# Altium PCB 小车PCB.PcbDoc (part 4 of 4)
Units mm, origin at the board's own origin, x right, y up, seen from the top; angles counter-clockwise.
Board outline 300.13 x 180.13 mm, 2 copper layers (Top Layer, Bottom Layer); 391 components, 380 nets, 1557 pads, 358 vias.
Unrouted connection lines stored in the file: 2.
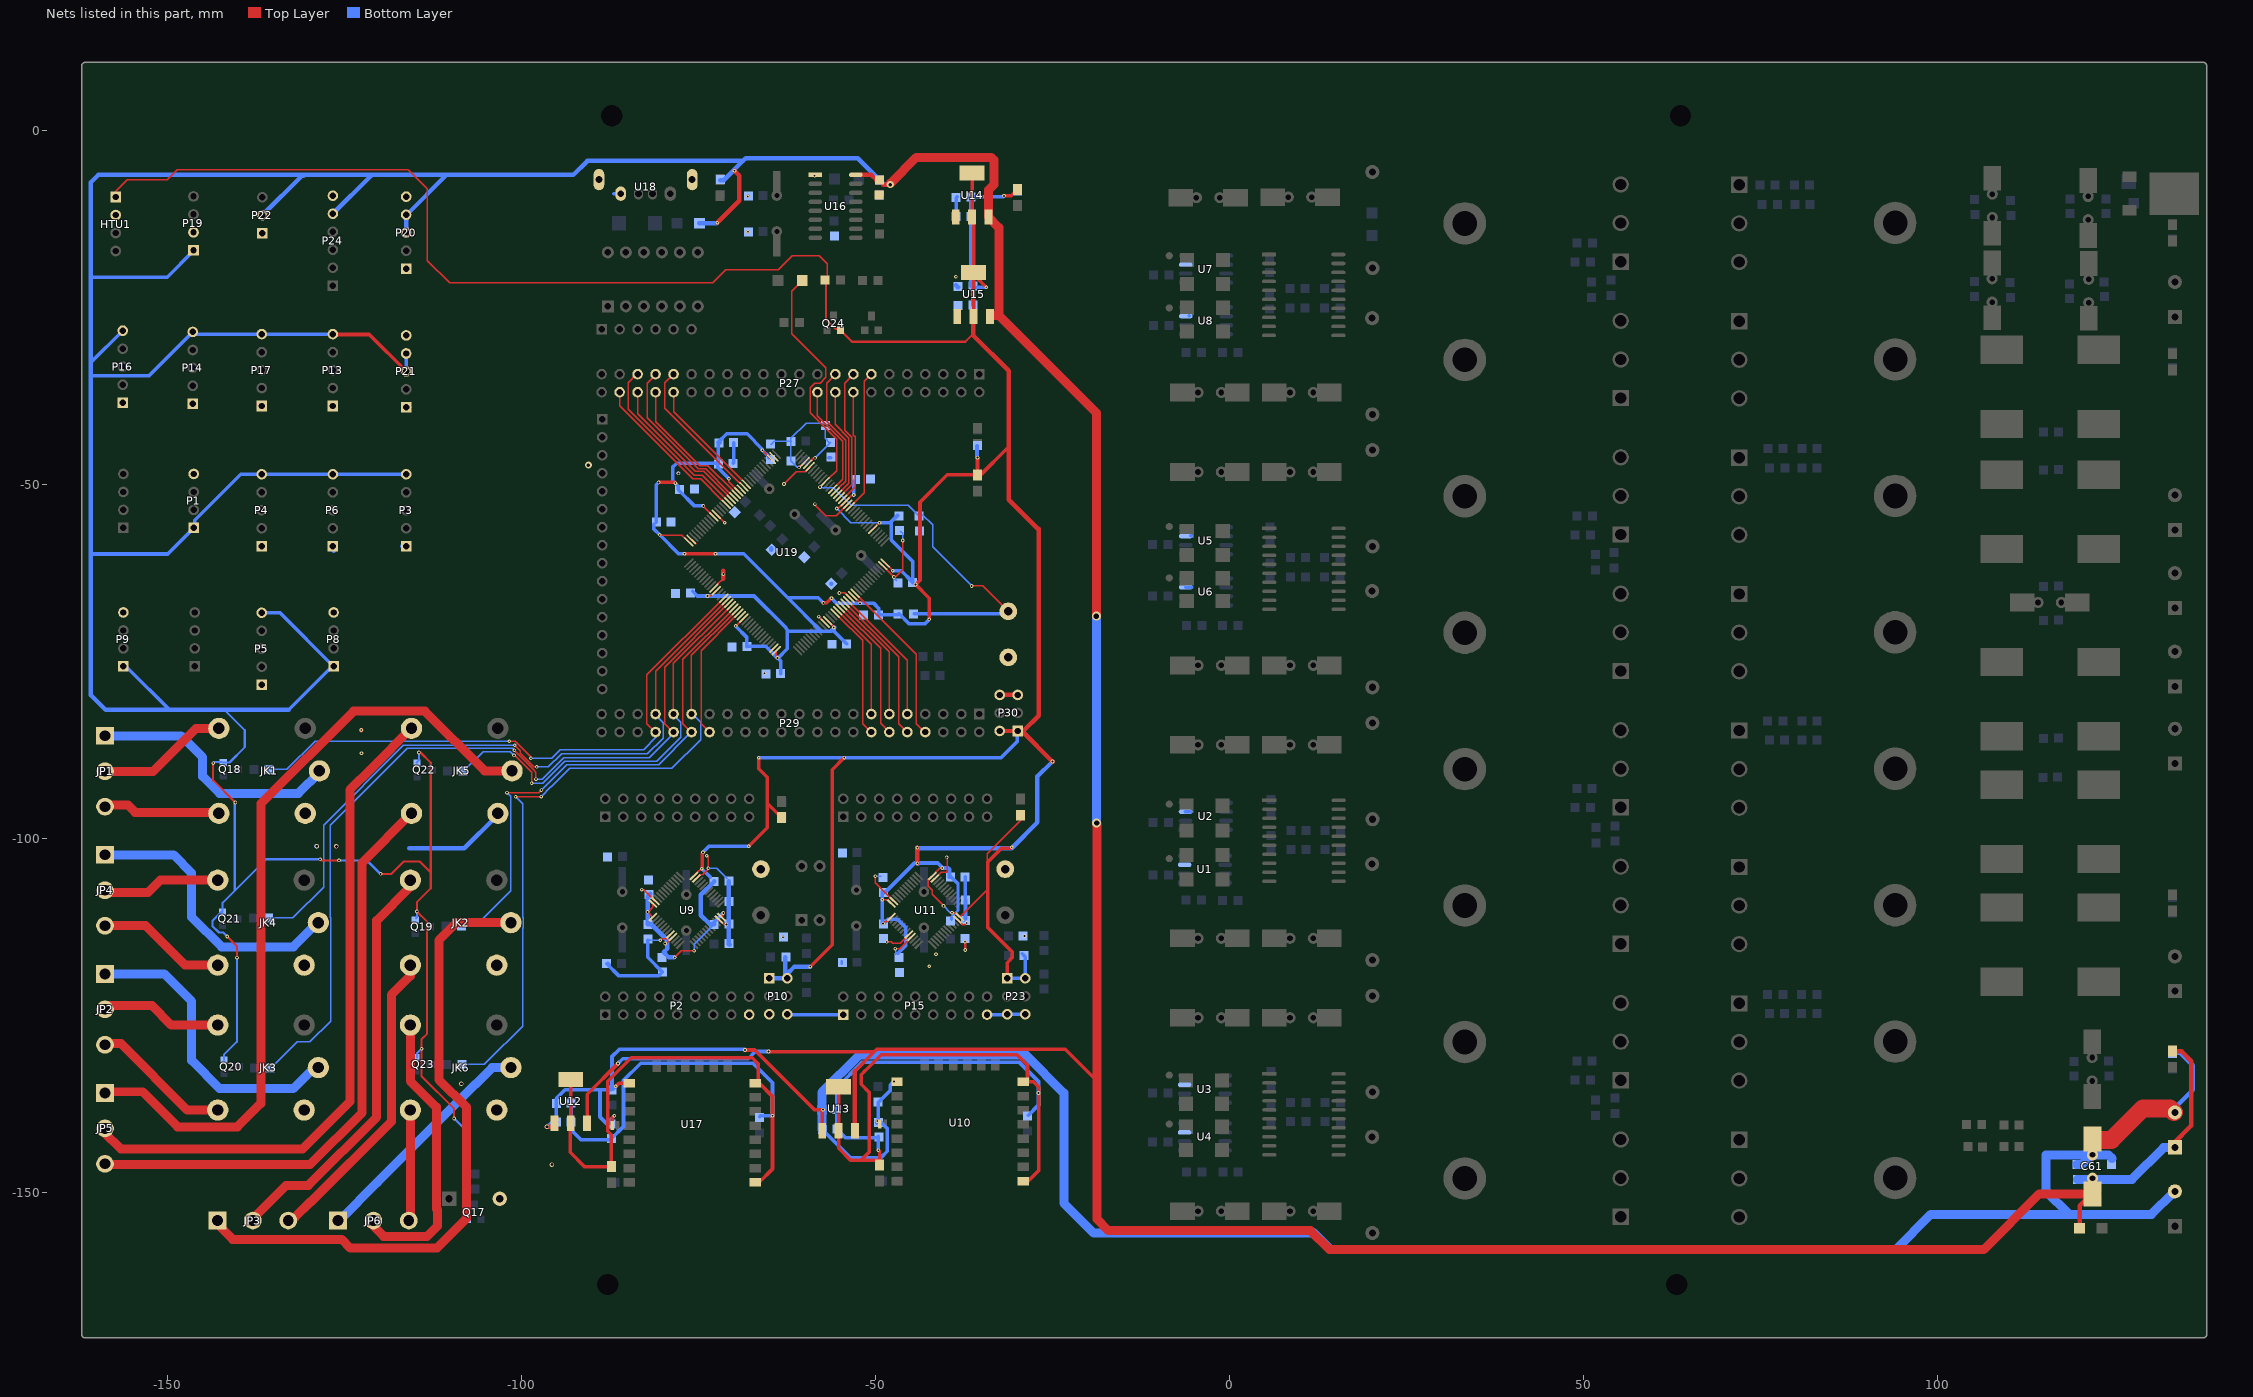
[diagram p4: the nets of this part, all layers, seen from the top]

## Via types
v1: diameter 0.508, hole 0.254, Top Layer to Bottom Layer, 302 vias
v2: diameter 1, hole 0.5, Top Layer to Bottom Layer, 18 vias
v3: diameter 3, hole 1.5, Top Layer to Bottom Layer, 14 vias
v4: diameter 7, hole 5, Top Layer to Bottom Layer, 8 vias
v5: diameter 1.27, hole 0.889, Top Layer to Bottom Layer, 6 vias
v6: diameter 0.635, hole 0.381, Top Layer to Bottom Layer, 5 vias
v7: diameter 0.762, hole 0.508, Top Layer to Bottom Layer, 2 vias
v8: diameter 1.27, hole 0.762, Top Layer to Bottom Layer, 2 vias
v9: diameter 1, hole 0.6, Top Layer to Bottom Layer, 1 vias

## Nets (pads, with @x,y where several pads share a name; then routed paths per layer and width w, separated by ;. In a path a pad name is that pad's centre, name@x,y a point inside that pad or via, vN(x,y) a via of type N, cw(c..) or ccw(c..) an arc to the next point about the centre after c; other vN are vias at no path point) (continued)
PF5: P27.13 U19.15 | length 19.2
  Top Layer w0.203: U19.15@-53.035,-52.629 -51.537,-51.13 -51.537,-35.408 -50.571,-34.442 P27.13@-50.546,-34.442
PF6: P27.16 U19.18 | length 15.2
  Top Layer w0.203: U19.18@-54.127,-51.562 -52.857,-50.292 -52.857,-43.256 -53.086,-43.028 P27.16@-53.086,-36.982
PF7: P27.15 U19.19 | length 18.1
  Top Layer w0.203: U19.19@-54.432,-51.156 -53.289,-50.013 -53.289,-43.332 -54.305,-42.316 -54.305,-35.662 P27.15@-53.086,-34.442
PF8: P27.18 U19.20 | length 15.1
  Top Layer w0.203: P27.18@-55.651,-37.008 -55.651,-41.504 -53.721,-43.434 -53.721,-49.784 U19.20@-54.813,-50.876
PF9: P27.17 U19.21 | length 18
  Top Layer w0.203: P27.17@-55.651,-34.468 -56.871,-35.687 -56.871,-41.046 -54.178,-43.739 -54.178,-49.505 U19.21@-55.143,-50.47
PF10: P27.20 U19.22 | length 15
  Top Layer w0.203: P27.20@-58.166,-37.008 -58.166,-40.284 -54.61,-43.84 -54.61,-49.225 U19.22@-55.524,-50.14
PF11: P27.36 U19.49 | length 16.5
  Top Layer w0.203: P27.36@-78.486,-36.957 -78.486,-39.726 -68.809,-49.403 U19.49@-68.732,-49.403
PF12: P27.35 U19.50 | length 20.3
  Top Layer w0.203: P27.35@-78.486,-34.417 -79.705,-35.636 -79.705,-39.192 -69.268,-49.629 -69.243,-49.629 U19.50@-69.088,-49.784
PF13: P27.38 U19.53 | length 19
  Top Layer w0.203: P27.38@-81.001,-36.932 -81.001,-41.097 -74.752,-47.346 -73.635,-47.346 U19.53@-70.155,-50.825
PF14: P27.37 U19.54 | length 22.6
  Top Layer w0.203: P27.37@-81.001,-34.468 -82.22,-35.687 -82.22,-40.564 -75.006,-47.777 -73.939,-47.777 -70.587,-51.13 U19.54@-70.561,-51.13
PF15: P27.40 U19.55 | length 20.5
  Top Layer w0.203: P27.40@-83.541,-36.932 -83.541,-39.98 -75.387,-48.133 -74.244,-48.133 -70.866,-51.511 U19.55@-70.866,-51.537
PG0: P27.39 U19.56 | length 24.5
  Top Layer w0.203: P27.39@-83.668,-34.366 -84.887,-35.585 -84.887,-39.345 -75.565,-48.666 -74.422,-48.666 U19.56@-71.095,-51.994
PG1: P27.42 U19.57 | length 22
  Top Layer w0.203: P27.42@-86.106,-36.881 P27.42@-86.106,-36.932 -86.106,-38.837 -75.768,-49.174 -74.676,-49.174 U19.57@-71.603,-52.248
PG2: P29.38 R93.1 U19.87 | length 82.8
  Top Layer w0.203: v1(-101.676,-86.233) -100.813,-86.233 -100.813,-86.236 -98.628,-88.421 v1(-98.628,-88.646) ; P29.38@-81.026,-84.963 -82.245,-83.744 -82.245,-76.86 U19.87@-71.831,-66.446
  Bottom Layer w0.203: R93.1@-135.458,-90.199 -133.074,-90.199 -129.108,-86.233 v1(-101.676,-86.233) ; v1(-98.628,-88.646) -95.682,-88.646 -94.539,-87.503 ; -94.539,-87.452 -82.728,-87.452 -80.899,-85.623 P29.38@-80.899,-84.76
PG3: P29.37 R96.1 U19.88 | length 97.2
  Top Layer w0.203: v1@-100.838,-86.792 -100.838,-86.868 -100.139,-87.566 ; -100.152,-87.579 -100.152,-87.909 -98.196,-89.865 v1(-97.815,-89.865) ; P29.37@-81.026,-82.423 P29.37@-81.026,-82.398 -81.026,-76.378 U19.88@-71.501,-66.853
  Bottom Layer w0.203: R96.1@-135.534,-111.18 -132.236,-111.18 -127.914,-106.858 -127.914,-98.069 -116.637,-86.792 v1@-100.914,-86.792 ; v1(-97.815,-89.865) -96.164,-89.865 -94.361,-88.062 ; -94.361,-88.036 -82.194,-88.036 -79.959,-85.801 -79.959,-83.642 -80.874,-82.728 P29.37@-80.874,-82.448
  other v1: -100.914,-86.817
PG4: P29.36 R95.1 U19.89 | length 119.1
  Top Layer w0.203: v1@-100.914,-87.503 -100.914,-87.614 -98.333,-90.195 -98.323,-90.195 -97.917,-90.602 v1(-97.917,-91.592) ; P29.36@-78.511,-85.014 -79.731,-83.795 -79.731,-75.768 U19.89@-71.171,-67.208
  Bottom Layer w0.203: R95.1@-135.357,-132.389 -131.644,-128.676 -129.845,-128.676 -126.924,-125.755 -126.924,-112.576 -126.921,-112.573 -126.921,-111.141 -126.949,-111.113 -126.949,-98.12 -116.078,-87.249 -101.219,-87.249 v1(-100.965,-87.503) ; v1(-97.917,-91.592) -97.028,-91.592 -94.056,-88.621 ; -94.056,-88.595 -81.94,-88.595 P29.36@-78.232,-84.887
PG5: P29.35 R97.1 U19.90 | length 58.6
  Top Layer w0.203: v1@-100.99,-88.265 -100.863,-88.265 -98.527,-90.602 v1(-98.527,-92.177) ; P29.35@-78.511,-82.474 -78.511,-75.26 U19.90@-70.764,-67.513
  Bottom Layer w0.203: R97.1@-108.102,-90.428 -105.381,-87.706 -101.575,-87.706 -101.041,-88.24 v1(-101.016,-88.24) ; v1(-98.527,-92.177) -96.952,-92.177 -93.853,-89.078 -80.848,-89.078 -77.445,-85.674 -77.445,-83.566 P29.35@-78.257,-82.753
PG6: P29.34 R94.1 U19.91 | length 72.7
  Top Layer w0.203: v1(-102.006,-93.497) -97.511,-93.497 v1(-97.155,-93.142) ; P29.34@-75.971,-84.988 -77.191,-83.769 -77.191,-74.676 U19.91@-70.434,-67.92
  Bottom Layer w0.203: R94.1@-108.331,-112.348 -106.455,-112.348 -101.473,-107.366 -101.473,-94.031 v1(-102.006,-93.497) ; v1(-97.155,-93.142) -96.139,-92.126 -96.114,-92.126 -93.548,-89.56 -80.594,-89.56 P29.34@-76.175,-85.141
PG7: P29.33 R98.1 U19.92 | length 93.6
  Top Layer w0.203: v1(-100.787,-94.082) -100.762,-94.056 v1(-97.18,-94.056) ; P29.33@-75.971,-82.448 -75.971,-74.117 U19.92@-70.079,-68.224
  Bottom Layer w0.203: R98.1@-108.229,-131.881 -105.213,-131.881 -104.787,-131.454 -104.784,-131.454 -99.797,-126.467 -99.797,-112.652 -99.718,-112.573 -99.718,-111.141 -99.797,-111.062 -99.797,-95.072 v1(-100.787,-94.082) ; v1(-97.18,-94.056) -95.809,-92.685 -95.783,-92.685 -93.167,-90.068 -78.715,-90.068 -74.676,-86.03 -74.676,-85.979 -74.625,-85.928 -74.625,-83.591 P29.33@-75.667,-82.55
PG8: P29.32 U19.93 | length 18.8
  Top Layer w0.203: P29.32@-73.381,-84.988 -74.6,-83.769 -74.6,-73.457 U19.93@-69.825,-68.682
PG9: P29.14 U19.124 | length 18.3
  Top Layer w0.203: U19.124@-55.143,-68.631 -51.791,-71.984 -51.791,-83.795 P29.14@-50.571,-85.014
PG10: P29.13 U19.125 | length 15.9
  Top Layer w0.203: U19.125@-54.788,-68.301 -50.571,-72.517 P29.13@-50.571,-82.474
PG11: P29.12 U19.126 | length 19.6
  Top Layer w0.203: U19.126@-54.432,-67.945 -49.251,-73.127 -49.251,-83.718 P29.12@-48.031,-84.938
PG12: P29.11 U19.127 | length 17.4
  Top Layer w0.203: U19.127@-54.153,-67.513 -48.031,-73.635 P29.11@-48.031,-82.398
PG13: P29.10 U19.128 | length 21.2
  Top Layer w0.203: U19.128@-53.797,-67.183 -46.685,-74.295 -46.685,-83.744 P29.10@-45.466,-84.963
PG14: P29.9 U19.129 | length 19
  Top Layer w0.203: U19.129@-53.518,-66.777 -45.466,-74.828 P29.9@-45.466,-82.398 P29.9@-45.466,-82.423
PG15: P29.8 U19.132 | length 23.1
  Top Layer w0.203: U19.132@-52.375,-65.786 -44.196,-73.965 -44.196,-83.769 P29.8@-42.977,-84.988
RESET: C83.1 D27.1 key3.1 R111.1 U19.25 | length 82.8
  Top Layer w0.203: D27.1@-60.3,-21.184 -61.824,-22.708 -61.824,-28.677 -56.972,-33.528 -56.972,-34.849 -57.785,-35.662 -58.522,-35.662 -59.207,-36.347 -59.207,-39.878 -55.474,-43.612 -55.474,-48.006 U19.25@-56.642,-49.174 ; v1(-36.398,-64.313) -34.799,-64.313 key3.1@-31.217,-67.895
  Bottom Layer w0.203: v1(-57.81,-50.343) -57.81,-50.419 -55.931,-50.419 -53.416,-52.934 -45.314,-52.934 C83.1@-43.815,-54.432 ; C83.1@-43.332,-54.254 -41.91,-55.677 -41.91,-58.801 v1(-36.398,-64.313)
  Bottom Layer w0.508: R111.1@-44.475,-68.25 -31.267,-68.25 key3.1@-31.064,-68.047
VCC3.3V: C43.2 C46.2 C47.2 C48.2 C49.2 C50.2 C55.2 C56.2 C57.2 C59.2 C60.2 C64.2 C65.2 C66.2 C67.2 C68.2 C69.2 C70.2 C71.2 C74.2 C80.2 C81.2 C82.2 C84.2 C85.2 C86.2 C87.2 C88.2 C89.2 C90.2 C91.2 C96.1 HTU1.1 K3V.1 LED4.1 LED5.1 LED6.1 LED10.1 LED11.1 P10.1 P10.2 P23.1 P23.2 P30.1 P30.2 Q24.2 R78.2 R81.1 R87.2 R101.1 R104.2 R111.2 R112.2 R114.2 U9.1 U9.9 U9.24 U9.36 U9.48 U10.1 U10.8 U11.1 U11.9 U11.24 U11.36 U11.48 U12.2 U13.2 U14.2 U15.2 U17.1 U17.8 U19.6 U19.17 U19.39 U19.52 U19.62 U19.72 U19.84 U19.95 U19.108 U19.121 U19.131 U19.144 | length 996.3
  Top Layer w0.203: HTU1.1@-157.277,-9.144 -157.277,-8.6 -155.626,-6.949 -149.976,-6.949 -148.565,-5.537 -115.951,-5.537 ; -115.875,-5.563 -115.875,-5.588 -113.233,-8.23 -113.233,-18.39 -110.109,-21.514 -72.923,-21.514 -71.095,-19.685 -63.678,-19.685 -61.697,-17.704 -57.887,-17.704 -56.769,-18.821 R104.2@-56.769,-20.955 ; v1(-82.144,-110.345) U9.1@-81.42,-111.068 ; v1@-82.093,-110.363 -81.42,-109.69 U9.48@-81.42,-109.159 ; v1(-80.442,-57.099) -80.416,-57.125 -77.294,-57.125 U19.72@-76.326,-58.093 ; v1(-79.68,-114.808) -79.527,-114.808 U9.9@-78.994,-114.275 ; v1(-78.308,-116.764) -77.368,-115.824 v1(-75.59,-115.824) ; U9.36@-75.622,-105.27 -75.622,-105.213 -74.955,-104.546 -74.879,-104.546 v1@-74.549,-104.216 ; v1(-74.27,-53.01) -74.27,-53.078 U19.62@-72.791,-54.557 ; v1(-73.698,-65.723) -73.203,-65.723 U19.84@-72.437,-64.957 ; U9.24@-71.732,-111.068 -71.45,-110.786 v1(-71.45,-110.49) ; v1(-70.663,-49.174) -70.663,-49.628 -69.27,-51.022 U19.52@-69.255,-51.022 ; v1(-69.698,-69.952) -69.654,-69.952 U19.95@-68.548,-68.846 ; v1(-65.938,-45.146) U19.39@-64.659,-46.425 ; U19.108@-63.952,-73.443 -63.952,-74.326 v1(-63.805,-74.473) ; U19.121@-56.734,-69.2 -55.855,-70.079 v1(-55.855,-70.18) ; v1(-55.448,-53.365) -55.22,-53.365 U19.17@-54.712,-52.857 ; U19.17@-54.683,-52.86 U19.17@-54.259,-52.436 -53.284,-51.46 v1(-53.035,-51.46) ; U19.131@-53.198,-65.664 -52.146,-66.717 v1(-52.146,-66.777) ; U19.6@-50.37,-56.325 -50.356,-56.325 v1(-49.403,-55.372) ; v1(-49.022,-108.61) -48.288,-108.61 U11.48@-47.739,-109.159 ; -48.746,-111.763 -48.434,-111.763 U11.1@-47.739,-111.068 ; U19.144@-48.602,-61.068 -47.777,-61.893 -47.777,-61.925 -47.549,-62.154 v1(-47.523,-62.154) ; v1(-47.168,-115.519) -46.533,-115.519 U11.9@-44.911,-113.897 ; v1(-40.538,-104.14) -40.811,-104.14 U11.36@-41.941,-105.27 -41.973,-105.27 -42.488,-105.785 -42.488,-106.725 -41.941,-107.272 -41.941,-107.868 -40.259,-109.55 -40.31,-109.55 v1(-40.361,-109.499) ; v1@-39.167,-110.515 -38.605,-110.515 U11.24@-38.052,-111.068 -34.138,-107.154 ; -34.163,-103.2 -34.163,-102.133 -29.515,-97.485 -29.515,-96.901 LED6.1@-29.337,-96.723
  Top Layer w0.305: R104.2@-56.947,-21.107 -56.947,-26.67 -56.21,-27.407 -56.196,-27.407 -55.612,-27.991 Q24.2@-54.915,-27.991 ; Q24.2@-54.915,-28.194 -53.289,-29.82 -37.287,-29.82 -36.144,-28.677
  Top Layer w0.508: U12.2@-93.091,-140.64 -93.091,-144.297 -91.084,-146.304 LED10.1@-87.274,-146.304 -87.274,-141.814 -87.757,-141.331 -87.757,-134.239 -84.457,-130.939 -80.084,-130.939 -80.06,-130.962 -79.623,-130.962 -79.599,-130.939 -78.084,-130.939 -78.06,-130.962 -77.623,-130.962 -77.599,-130.939 -76.084,-130.939 -76.06,-130.962 -75.623,-130.962 -75.599,-130.939 -74.084,-130.939 -74.06,-130.962 -73.623,-130.962 -73.599,-130.939 -72.084,-130.939 -72.06,-130.962 -71.623,-130.962 -71.599,-130.939 -67.384,-130.939 -66.548,-131.775 U17.8@-66.548,-134.468 ; U12.2@-92.994,-140.193 -92.994,-134.421 U12.2@-92.685,-134.112 ; v1(-80.594,-49.682) -78.359,-49.682 v1(-78.257,-49.784) ; v1(-76.937,-59.766) v1(-72.568,-59.766) ; v1@-74.524,-104.242 -74.422,-104.14 -74.422,-102.032 v1(-74.32,-101.93) ; v1(-67.869,-101.067) -65.253,-98.45 -65.253,-94.996 ; U17.1@-66.942,-148.52 -66.402,-148.52 -64.516,-146.634 v1(-64.516,-139.141) -64.516,-136.398 U17.8@-66.472,-134.442 ; v1(-66.446,-88.57) -66.446,-90.119 -65.253,-91.313 -65.253,-94.996 ; LED4.1@-63.221,-97.028 -65.253,-94.996 ; v1@-59.182,-118.085 -56.083,-114.986 -56.083,-90.246 v1(-54.381,-88.544) ; v1(-57.328,-66.7) -56.845,-66.7 v1(-56.185,-66.04) ; U13.2@-55.194,-134.696 -55.173,-134.717 U13.2@-55.173,-141.235 -55.173,-143.734 -53.492,-145.415 -52.019,-145.415 ; v1(-49.555,-143.993) -49.378,-144.17 LED5.1@-49.378,-146.075 ; LED5.1@-49.505,-145.339 -49.581,-145.415 -52.019,-145.415 ; v1(-42.367,-69.037) -42.367,-66.04 v1(-44.298,-64.11) -43.688,-63.5 -43.688,-52.476 -39.827,-48.616 LED11.1@-35.56,-48.616 ; U14.2@-36.855,-5.867 -36.327,-6.395 U14.2@-36.327,-12.085 ; U14.2@-36.347,-12.065 U14.2@-36.327,-12.085 ; U15.2@-36.115,-26.249 -36.115,-20.469 U15.2@-36.093,-20.447 ; U15.2@-36.115,-20.063 U15.2@-35.916,-19.863 ; U15.2@-36.115,-20.049 -36.115,-12.297 U14.2@-36.327,-12.085 ; U15.2@-35.916,-20.422 -35.916,-20.523 v1(-34.315,-22.123) ; LED11.1@-35.56,-48.65 LED11.1@-35.56,-48.616 ; v1(-35.56,-46.177) LED11.1@-35.56,-48.616 ; LED11.1@-35.361,-48.849 -31.166,-44.653 ; v1(-31.826,-9.22) -30.785,-9.22 K3V.1@-29.845,-8.28 ; P23.1@-31.369,-119.71 -31.369,-117.509 -30.683,-116.824 -30.683,-115.951 -34.138,-112.497 -34.138,-107.154 -34.138,-103.327 -32.182,-101.371 -30.886,-101.371 v1(-30.734,-101.219) ; U10.8@-29.121,-134.342 -27.659,-134.342 -26.924,-135.077 v1@-26.924,-135.89 ; U10.1@-28.55,-148.488 -26.924,-146.863 v1@-26.924,-135.89 ; U10.8@-28.499,-134.29 -28.499,-132.004 -29.997,-130.505 -49.149,-130.505 -51.342,-132.699 -51.368,-132.699 -51.994,-133.325 -51.994,-134.696 -50.851,-135.839 -50.851,-144.247 -52.019,-145.415 ; v1(-26.949,-135.915) v1@-26.924,-135.89
  Top Layer w0.635: v1(-44.044,-103.48) v1(-44.044,-101.27) ; U15.2@-36.144,-26.416 -36.144,-28.677 -36.144,-28.931 -31.166,-33.909 -31.166,-44.653 -31.166,-52.146 -26.987,-56.325 -26.924,-56.261 -26.924,-82.626 -29.083,-84.785 P30.1@-29.261,-84.836 ; P30.2@-32.436,-84.785 -29.896,-84.826 P30.1@-29.261,-84.836 ; v1@-24.968,-89.129 P30.1@-29.261,-84.836
  Bottom Layer w0.203: v1@-78.41,-116.764 v1(-78.308,-116.764) ; v1(-75.59,-115.824) -75.54,-115.875 -75.54,-114.884 C46.2@-72.746,-112.09 ; v1(-55.448,-53.365) -53.442,-55.372 v1(-49.403,-55.372) -49.149,-55.372 ; v1(-47.168,-115.519) -47.117,-115.57 C56.2@-47.117,-116.357 ; v1(-40.361,-109.499) -39.395,-110.465 v1@-39.218,-110.465
  Bottom Layer w0.381: C57.2@-39.243,-111.404 -39.243,-111.049 -38.329,-110.134 -38.329,-106.35
  Bottom Layer w0.508: C64.2@-92.964,-137.236 -92.939,-137.262 C65.2@-92.939,-139.979 -92.939,-141.148 -91.542,-142.545 C74.2@-87.274,-142.545 ; C74.2@-87.274,-142.367 -85.547,-140.64 -85.547,-134.112 -83.134,-131.699 -67.259,-131.699 -64.465,-134.493 -64.516,-134.544 v1(-64.516,-139.141) -66.218,-139.141 R101.1@-66.319,-139.243 ; C86.2@-81.255,-55.601 -81.255,-56.286 v1(-80.442,-57.099) -77.8,-59.741 -76.962,-59.741 v1(-76.937,-59.766) ; C86.2@-80.924,-55.296 -80.924,-50.013 v1(-80.594,-49.682) ; C81.2@-77.826,-50.673 -77.826,-50.216 v1(-78.257,-49.784) -78.626,-49.416 -78.626,-47.561 -78.054,-46.99 C87.2@-72.187,-46.99 ; C81.2@-77.749,-50.8 -75.54,-53.01 v1(-74.27,-53.01) ; C85.2@-75.794,-65.075 -75.146,-65.723 v1(-73.698,-65.723) -67.119,-65.723 -62.586,-70.256 -62.586,-70.316 -62.408,-70.494 -62.408,-70.688 ; v1(-74.498,-104.242) C47.2@-73.279,-105.461 ; v1(-74.32,-101.93) -73.431,-101.041 v1@-67.818,-101.041 ; C46.2@-72.771,-111.811 v1(-71.45,-110.49) ; v1(-72.568,-59.766) -68.58,-59.766 -62.357,-65.989 ; C87.2@-72.263,-47.015 -72.263,-47.574 v1(-70.663,-49.174) ; C96.1@-72.212,-44.044 -70.993,-42.824 -68.097,-42.824 -65.938,-44.983 v1(-65.938,-45.146) -65.049,-46.035 R112.2@-65.049,-46.203 ; C87.2@-72.161,-47.066 -72.161,-44.323 C96.1@-71.907,-44.069 ; v1@-69.698,-70.002 -68.123,-71.577 C90.2@-68.123,-72.873 ; C90.2@-68.047,-72.822 -65.456,-72.822 v1(-63.805,-74.473) ; v1(-66.446,-88.57) -32.233,-88.57 -29.947,-86.284 P30.1@-29.947,-84.531 ; v1@-63.754,-74.524 v1@-63.741,-74.511 ; C89.2@-63.373,-76.683 -63.373,-74.879 v1@-63.741,-74.511 ; v1(-57.328,-66.7) -58.039,-65.989 -62.357,-65.989 ; -56.274,-70.625 v1@-55.88,-70.231 ; -56.185,-70.714 -57.633,-70.714 -57.658,-70.688 ; v1(-56.185,-66.04) -55.474,-66.751 v1@-52.172,-66.751 ; v1(-55.855,-70.18) v1@-55.829,-70.18 ; v1@-55.74,-70.18 v1@-55.829,-70.18 ; C66.2@-55.448,-138.303 -55.397,-138.354 C67.2@-55.397,-141.021 -54.204,-142.215 -49.759,-142.215 C48.2@-49.555,-142.011 ; C66.2@-55.448,-138.278 -55.448,-135.179 -51.867,-131.597 -29.642,-131.597 -26.949,-134.29 v1(-26.949,-135.915) -26.949,-137.617 R81.1@-28.372,-139.04 ; C88.2@-54.051,-72.492 -55.829,-70.714 v1@-55.829,-70.18 ; C80.2@-53.111,-49.454 -53.035,-49.53 v1(-53.035,-51.46) ; v1(-52.146,-66.777) -50.19,-66.777 -49.53,-67.437 C84.2@-49.53,-68.377 ; v1(-49.555,-143.993) C48.2@-49.555,-142.24 ; C84.2@-49.53,-68.428 C84.2@-49.53,-68.377 ; -49.149,-55.372 -47.879,-55.372 -47.727,-55.22 ; C55.2@-49.022,-111.989 v1(-49.022,-108.61) C59.2@-49.022,-107.493 ; C55.2@-48.87,-112.039 -48.235,-111.404 -46.838,-111.404 -45.695,-112.547 -45.695,-115.087 C56.2@-46.787,-116.18 ; C59.2@-48.844,-107.594 -48.616,-107.594 -44.45,-103.429 v1@-44.044,-103.429 ; v1(-47.523,-62.154) -46.33,-62.154 C82.2@-44.806,-63.678 ; C91.2@-46.863,-54.356 -47.727,-55.22 ; R111.2@-46.685,-68.25 -46.812,-68.377 C84.2@-49.53,-68.377 ; R111.2@-46.634,-68.25 -45.212,-69.672 -43.002,-69.672 v1(-42.367,-69.037) ; C82.2@-44.729,-63.83 -44.729,-60.808 -47.727,-57.81 -47.727,-55.22 ; v1@-43.993,-103.429 -41.173,-103.429 -40.538,-104.064 v1(-40.538,-104.14) -39.675,-104.14 -39.522,-104.292 C60.2@-39.522,-105.435 ; C60.2@-39.472,-105.207 -38.329,-106.35 ; C71.2@-36.5,-21.971 C69.2@-36.5,-12.116 C68.2@-36.5,-9.373 -31.979,-9.373 v1(-31.826,-9.22) ; C70.2@-36.22,-24.663 -36.22,-22.149 -36.144,-22.225 -36.043,-22.123 v1(-34.315,-22.123) ; R114.2@-35.636,-44.501 -35.636,-46.101 v1(-35.56,-46.177) ; P23.1@-31.369,-119.71 -28.956,-119.71 P23.2@-28.854,-119.609 ; R87.2@-29.235,-116.256 R87.2@-29.007,-116.484 -28.829,-116.662 P23.2@-28.829,-119.71 ; v1@-63.741,-74.511 -62.408,-73.177 -62.408,-70.688 ; -62.408,-70.688 -57.658,-70.688 ; -62.357,-65.989 -57.658,-70.688
  Bottom Layer w0.635: v1@-82.118,-110.345 C49.2@-82.118,-112.09 -81.638,-112.09 -79.375,-114.354 -79.375,-114.859 ; v1@-82.118,-110.338 -82.118,-108.102 C50.2@-81.788,-107.772 ; -79.35,-114.859 -79.35,-115.519 -79.87,-116.04 -79.197,-116.713 v1@-78.41,-116.713 ; C46.2@-72.746,-112.09 -73.33,-112.09 -74.625,-110.795 -74.625,-107.925 C47.2@-72.746,-106.045 ; P10.1@-64.973,-119.71 P10.2@-62.433,-119.71 -62.433,-119.075 -61.417,-118.059 v1(-59.182,-118.059) ; R78.2@-62.738,-116.738 -62.738,-119.405 P10.2@-62.509,-119.634 ; v1(-44.044,-103.48) v1@-43.993,-103.53 ; v1(-44.044,-101.27) -44.094,-101.321 v1@-30.734,-101.321 ; v1@-30.67,-101.282 -27.102,-97.714 -27.102,-91.211 v1@-24.981,-89.09